# Altium PCB PYCO_PCB_VER01_REVA.PcbDoc
Units mm, origin at the board's own origin, x right, y up, seen from the top; angles counter-clockwise.
Board outline 100 x 120 mm, 4 copper layers (TOP, Ground Plane, Power Plane, BOT), stack 1.517 mm thick; 96 components, 73 nets, 315 pads, 101 vias.
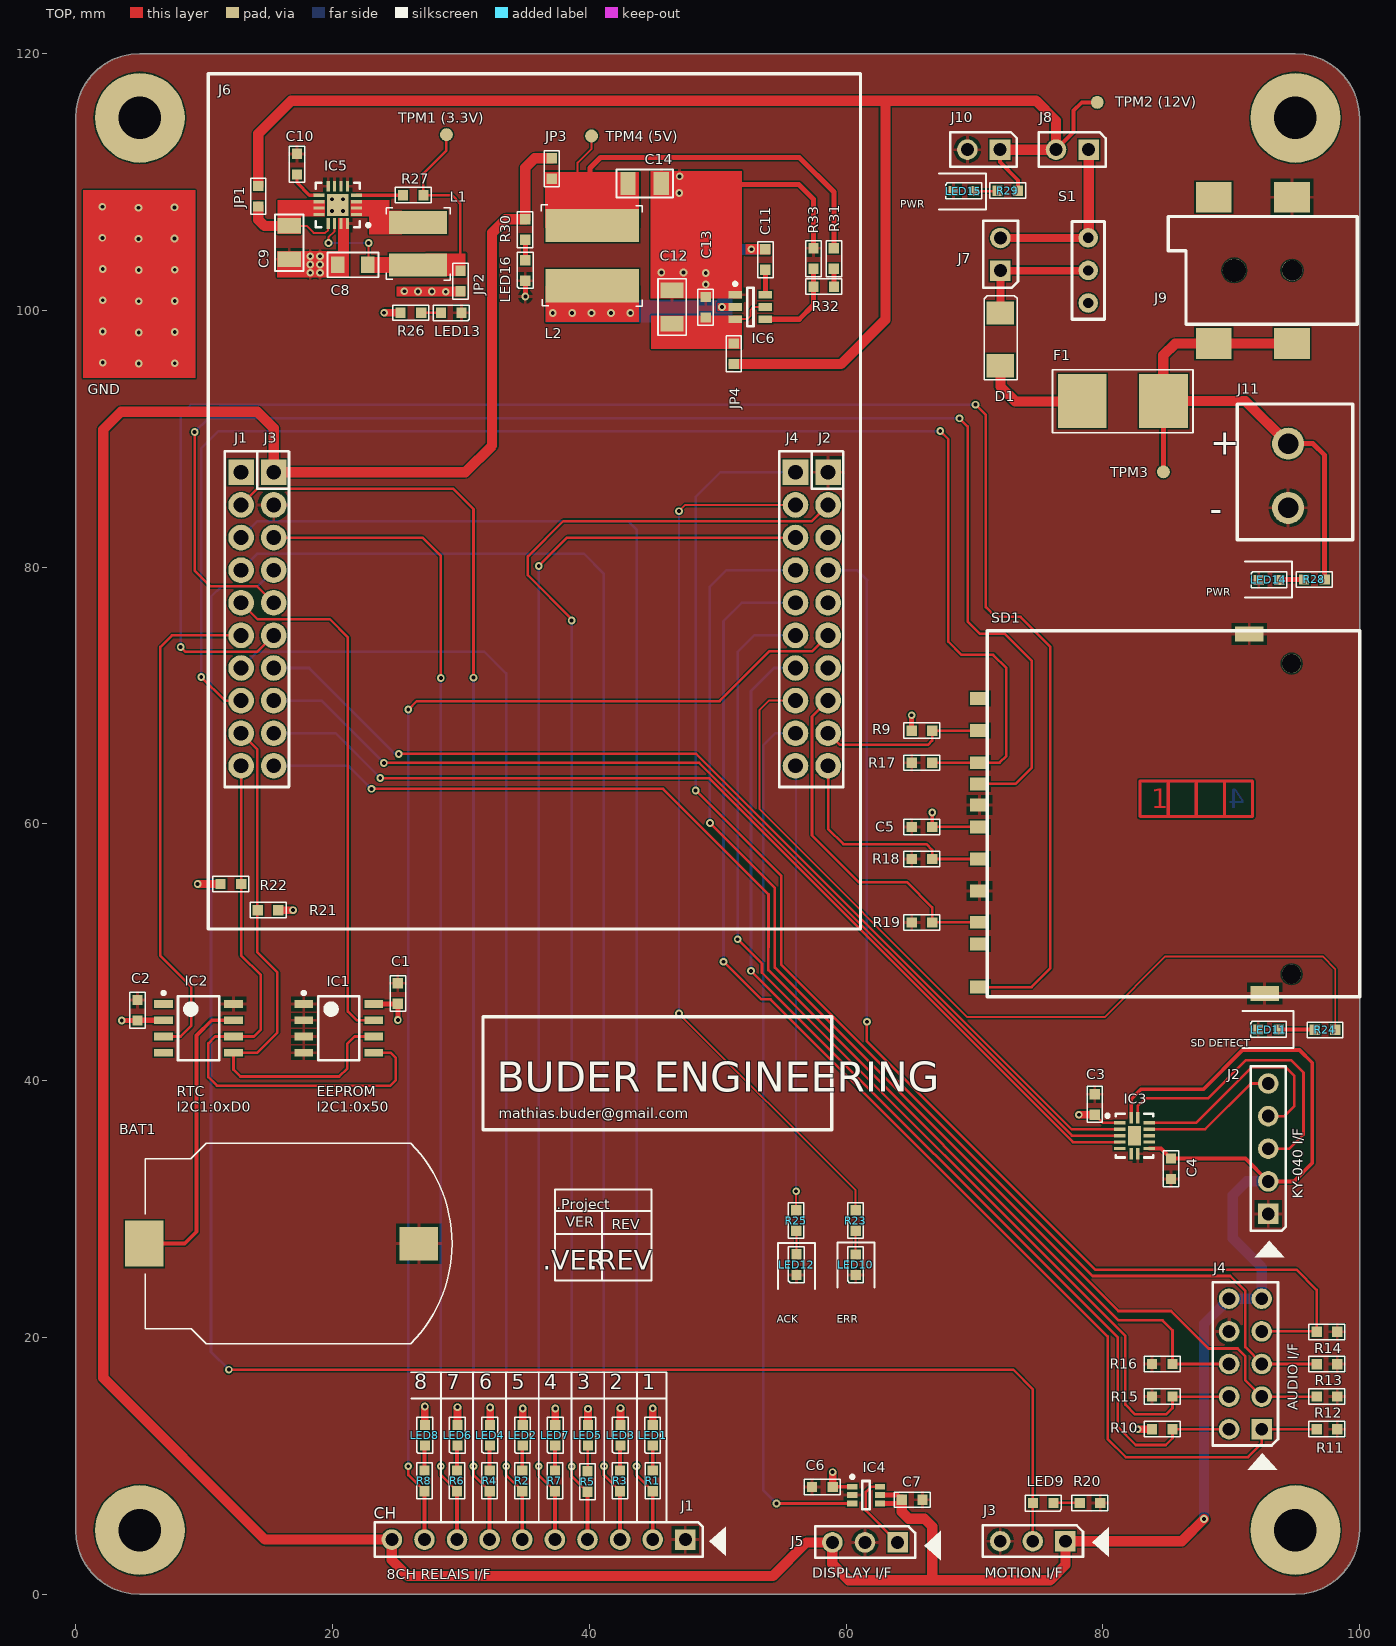
[diagram p0: TOP view]
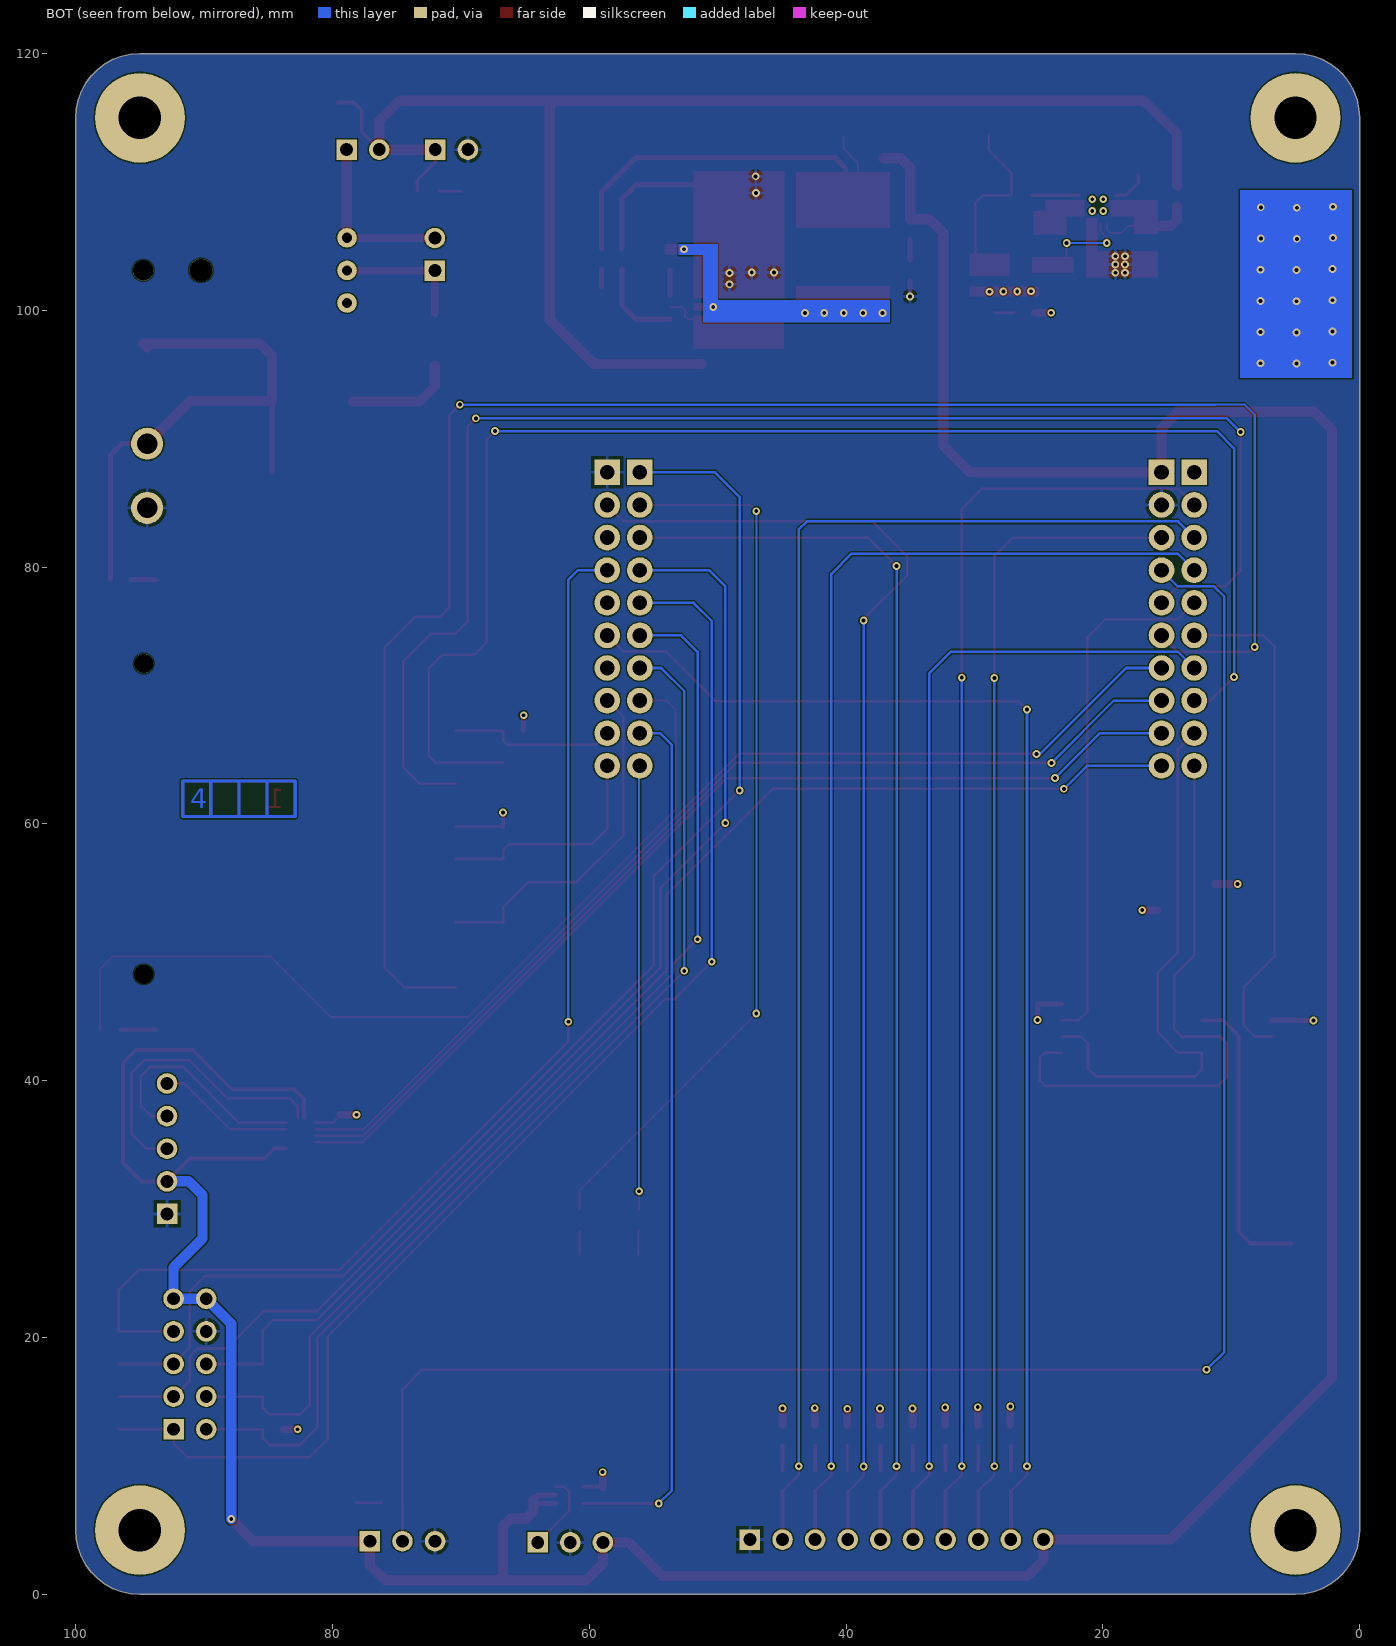
[diagram p1: BOT view, seen from below]
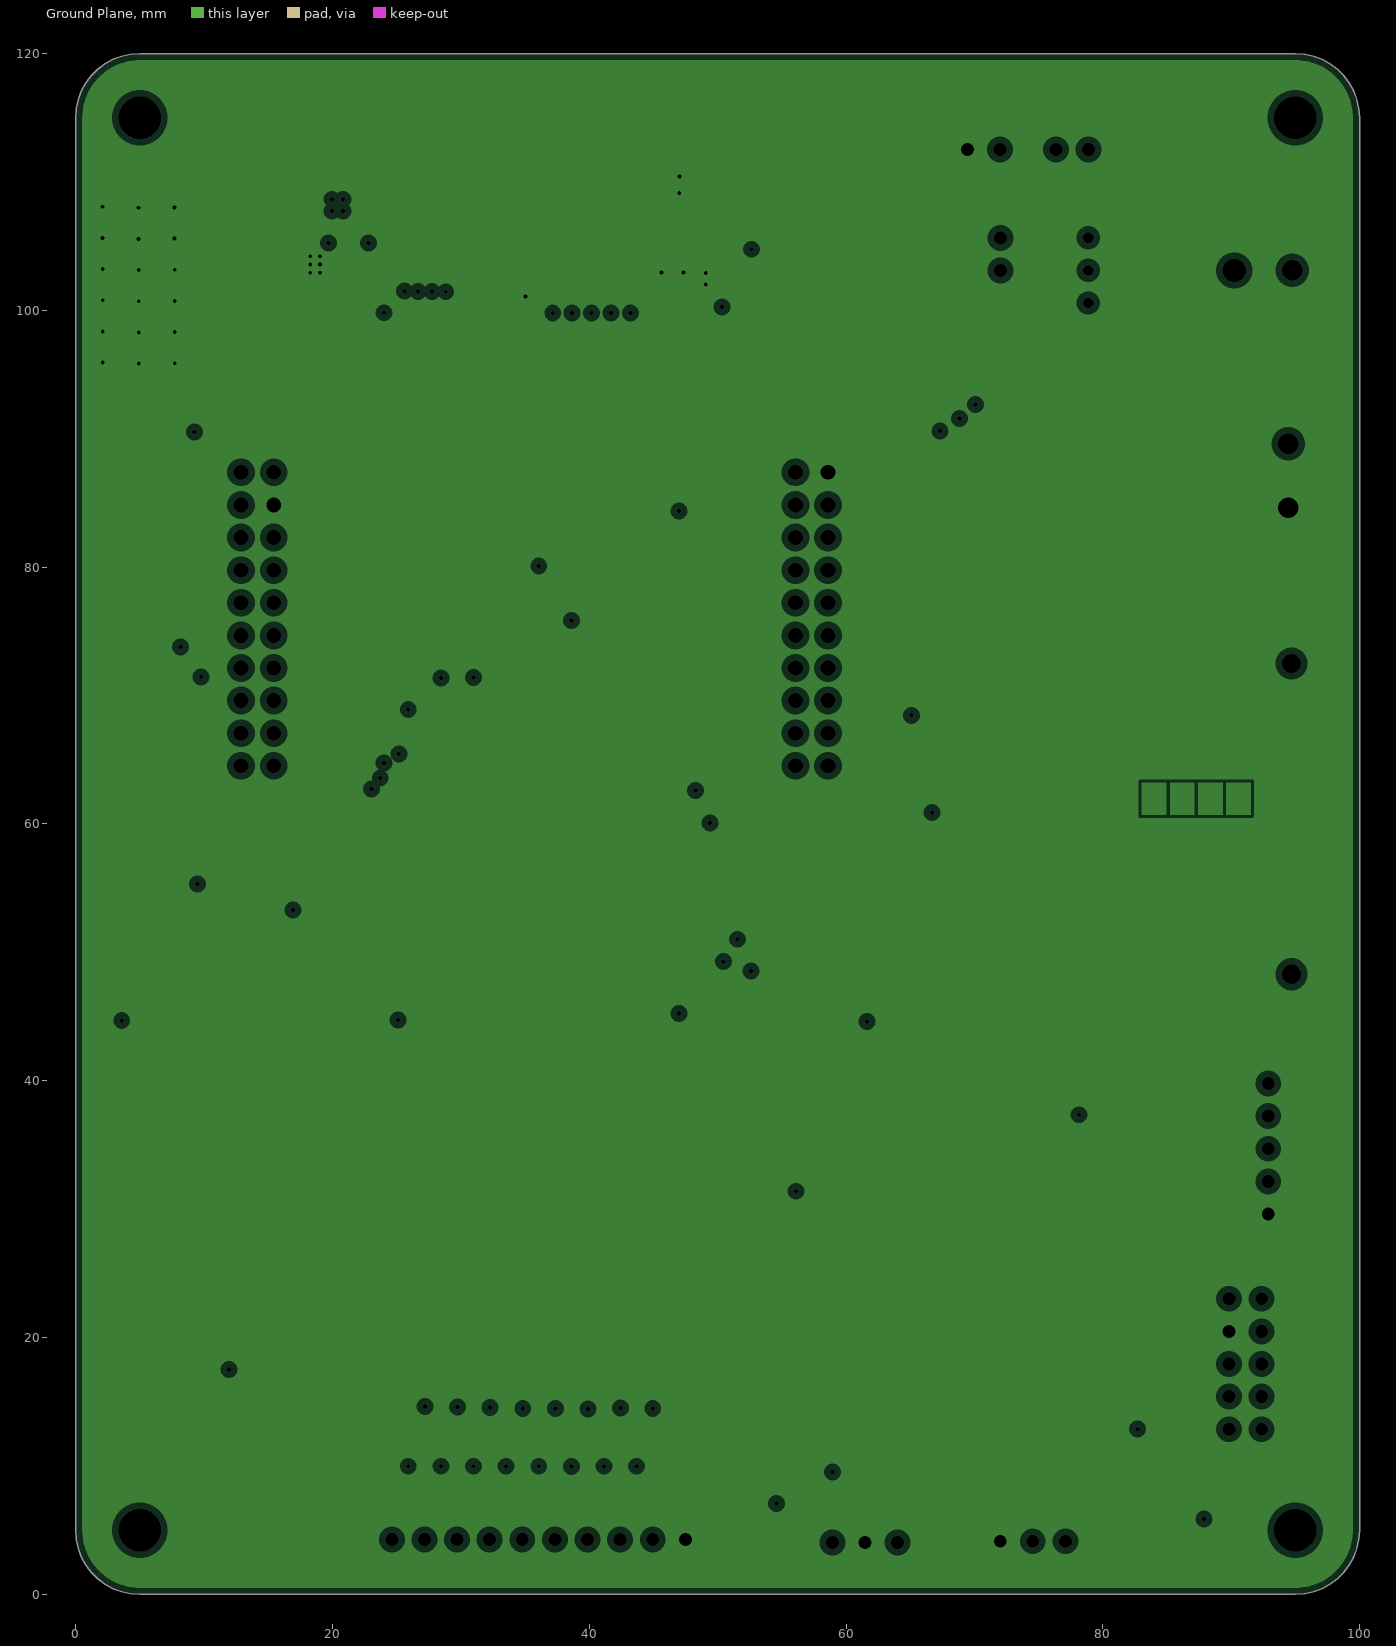
[diagram p2: Ground Plane, clearances drawn from the general rule]
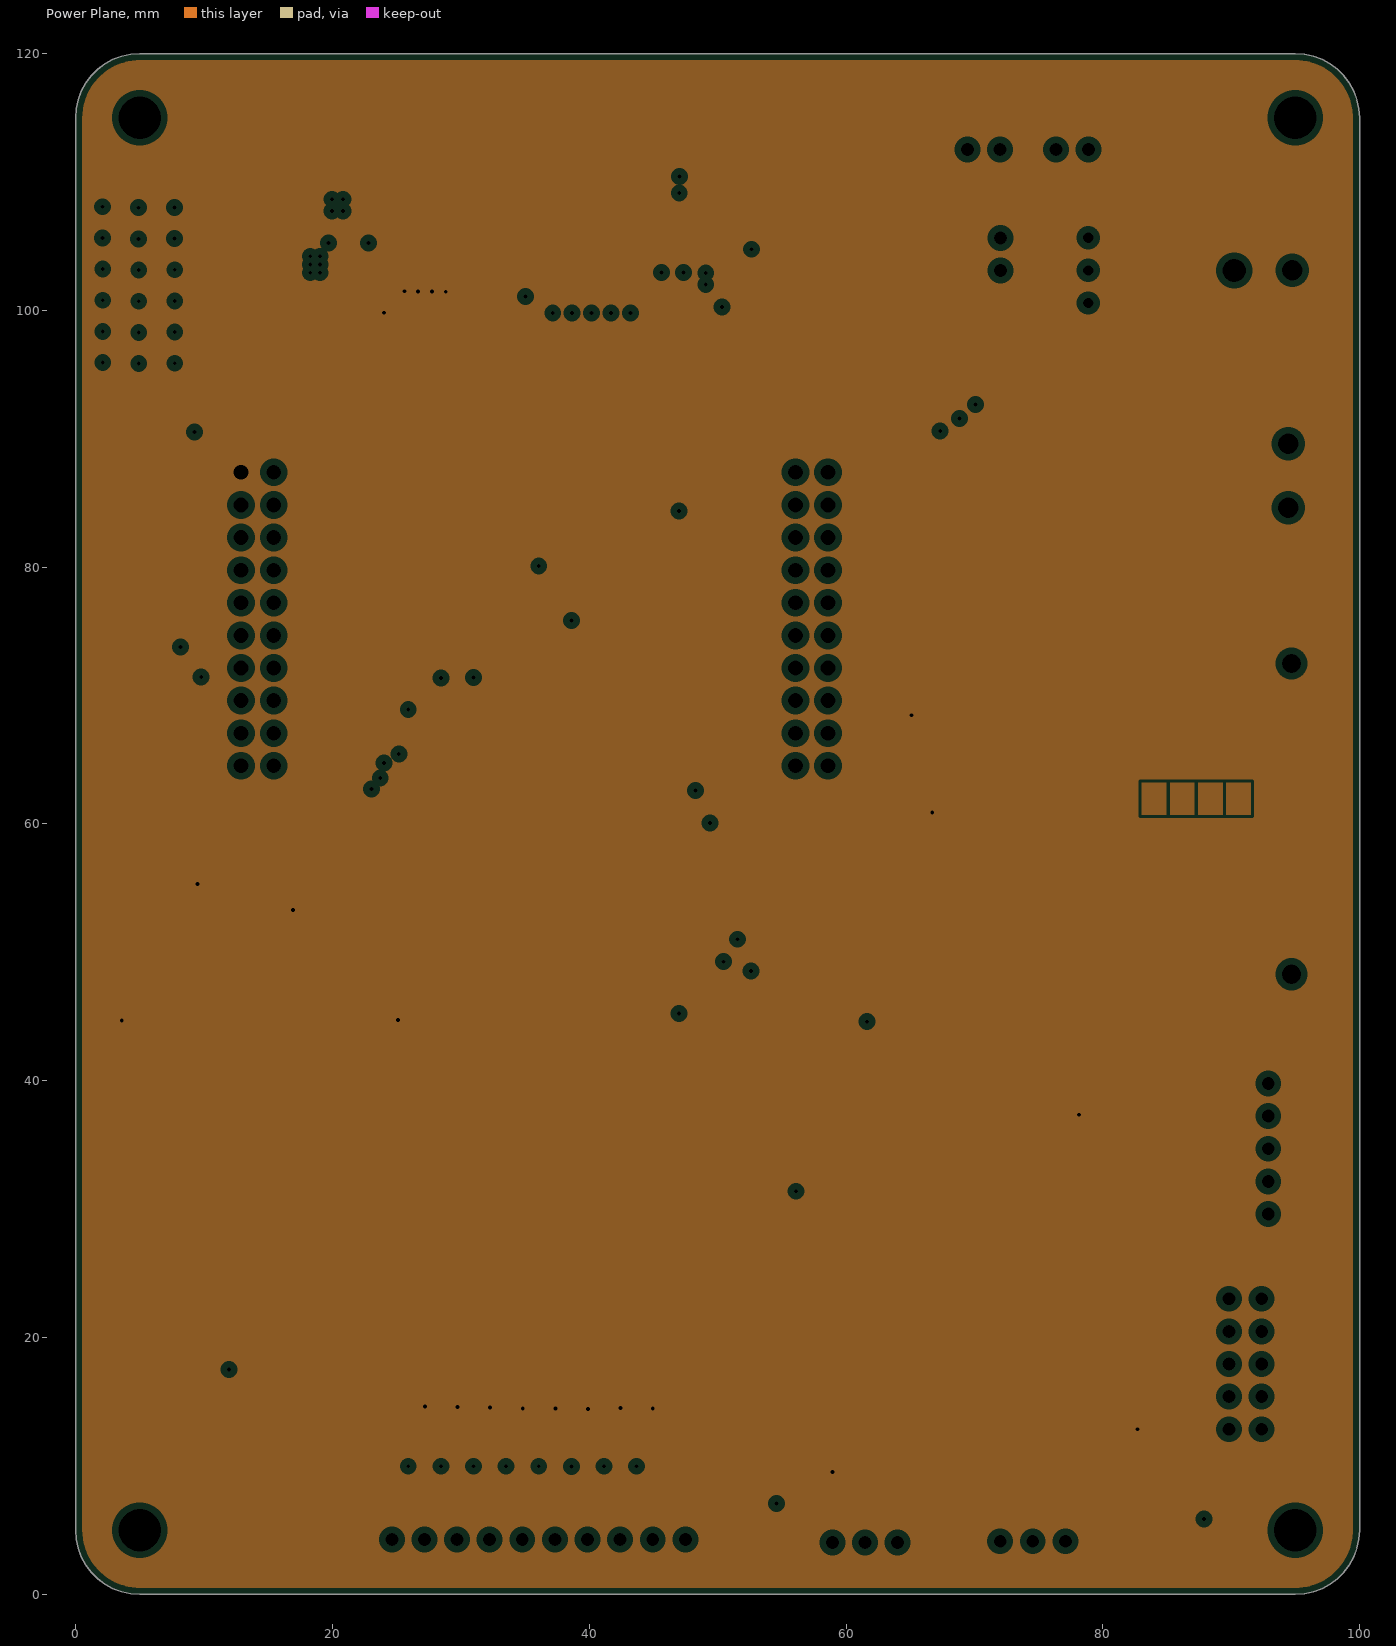
[diagram p3: Power Plane, clearances drawn from the general rule]
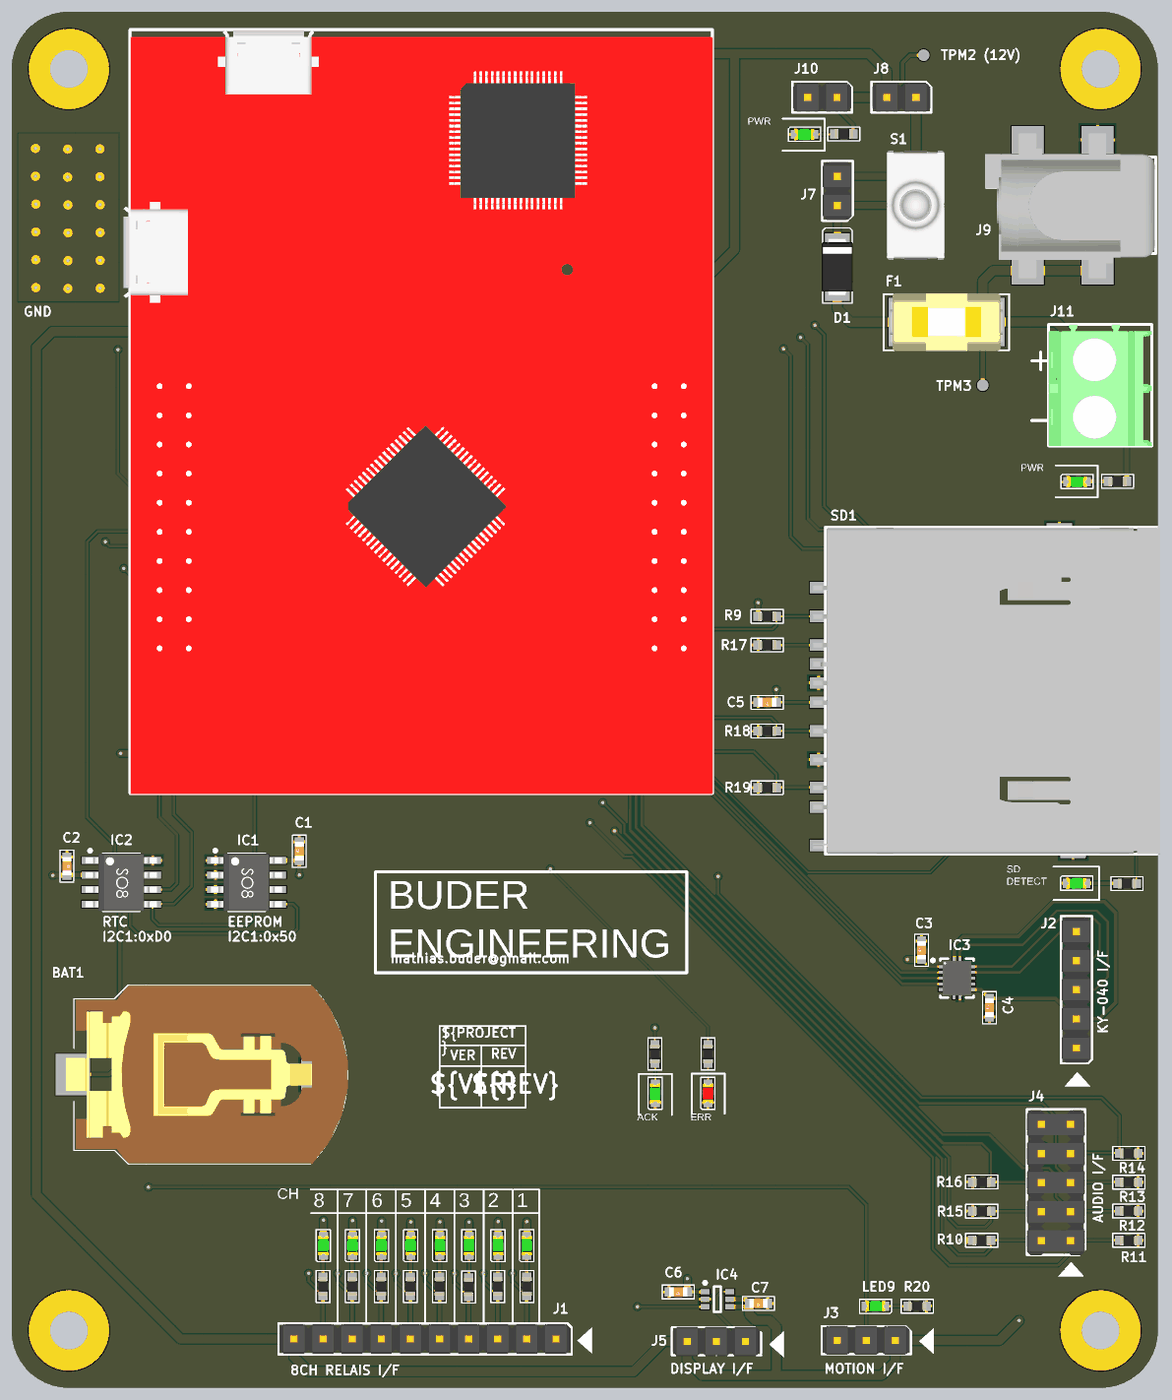
[diagram p4: 3D render of the assembled board from above, using the file's embedded part models]

## Layer stack, top to bottom
Top Solder: solder mask 0.0102, Solder Resist, Dk 3.5
TOP: signal copper 0.0356
Dielectric 1: core 0.32, FR-4, Dk 4.8
Ground Plane: plane copper 0.036, net GND
Dielectric 3: prepreg 0.8, Dk 4.2
Power Plane: plane copper 0.036, net +3V3
Dielectric 4: core 0.254, Dk 4.2
BOT: signal copper 0.0356
Bottom Solder: solder mask 0.0102, Solder Resist, Dk 3.5

## Board outline
100,5 100,115 99.949,115.712 99.797,116.409 99.548,117.077 99.206,117.703 98.779,118.274 98.274,118.779 97.703,119.206 97.077,119.548 96.409,119.797 95.712,119.949 95,120 5,120 4.288,119.949 3.591,119.797 2.923,119.548 2.297,119.206 1.726,118.779 1.221,118.274 0.794,117.703 0.452,117.077 0.202,116.409 0.051,115.712 0,115 0,5 0.051,4.288 0.202,3.591 0.452,2.923 0.794,2.297 1.221,1.726 1.726,1.221 2.297,0.794 2.923,0.452 3.591,0.203 4.288,0.051 5,0 95,0 95.712,0.051 96.409,0.203 97.077,0.452 97.703,0.794 98.274,1.221 98.779,1.726 99.206,2.297 99.548,2.923 99.797,3.591 99.949,4.288

## Design rules (kind name [scope] priority, off if disabled: settings)
Clearance Clearance_SSI0 [InNetClass('SSI0')] p1: gap=0.1 except(0.3: Track-Track Track-Via)
Clearance [All] p2: gap=0.1
HoleSize [All] p1: absolutevalues=TRUE maxlimit=2.54 minlimit=0.3 maxpercent=80.000 minpercent=20.000
HoleToHoleClearance [All] p1: gap=0.4 allowstackedmicrovias=TRUE
MinimumAnnularRing [All] p1: minimumring=0.15
MinimumSolderMaskSliver [All] p1: minsoldermaskwidth=0.1
PlaneClearance [All] p1: clearance=0.508
PlaneConnect [All] p1: planeconnectstyle=Direct reliefexpansion=0.508 reliefentries=4 reliefconductorwidth=0.254 reliefairgap=0.254
PolygonConnect [All] p1: connectstyle=Relief reliefconductorwidth=0.254 reliefentries=4 polygonreliefangle="90 Angle" airgapwidth=0.254
RoutingVias [All] p1: holewidth=0.3 width=0.6 viastyle="Through Hole" minholewidth=0.3 minwidth=0.6 maxholewidth=0.3 maxwidth=0.6
SilkToSilkClearance [All] p1: silktosilkclearance=0.1
SilkToSolderMaskClearance [IsPad] p1: minsilkscreentomaskgap=0.15 clearancetoexposedcopper=TRUE
SolderMaskExpansion [All] p1: expansion=0.1
Width Width_Power [InNetClass('Power')] p1: maxlimit=0.8 minlimit=0.3 preferedwidth=0.6
Width [All] p2: maxlimit=0.4 minlimit=0.15 preferedwidth=0.2
23 further rules are at their usual default settings.

## Classes and differential pairs
net class Power: +3V3 +5V +12V GND NetC9_1 NetD1_1 NetD1_2 NetF1_1 NetJ7_2
component class Connectors: C3 C4 C5 C6 C7 IC3 IC4 J1 J2 J3 J4 J5 LED1 LED2 LED3 LED4 LED5 LED6 LED7 LED8 LED9 R1 R2 R3 R4 R5 R6 R7 R8 R9 R10 R11 R12 R13 R14 R15 R16 R17 R18 R19 R20 SD1
component class Controller: J6 LED10 LED11 LED12 R21 R22 R23 R24 R25
component class "Power Supply": C8 C9 C10 C11 C12 C13 C14 D1 F1 IC5 IC6 J7 J8 J9 J10 J11 JP1 JP2 JP3 JP4 L1 L2 LED13 LED14 LED15 LED16 R26 R27 R28 R29 R30 R31 R32 R33 S1 TPM1 TPM2 TPM3 TPM4
component class RTC-EEPROM: BAT1 C1 C2 IC1 IC2
net class RELAIS_BUS[0..7]: RELAIS_BUS0 RELAIS_BUS1 RELAIS_BUS2 RELAIS_BUS3 RELAIS_BUS4 RELAIS_BUS5 RELAIS_BUS6 RELAIS_BUS7

## Components (designator, comment, footprint, x,y, rotation, side; value= is the part's Value field where it differs from the comment)
BAT1 "S8421-45R" S8421-45R 18.24,27.319 r270 top
C1 "C0603C104J4RACTU" C0603 25.095,46.797 r90 top
C2 "C0603C104J4RACTU" C0603 4.826,45.491 r270 top
C3 "C0603C104J4RACTU" C0603 79.375,38.156 r90 top
C4 "C0603C104J4RACTU" C0603 85.31,33.147 r90 top
C5 "C0603C104J4RACTU" C0603 65.913,59.772 r180 top
C6 "C0603C104J4RACTU" C0603 58.158,8.363 r180 top
C7 "C0603C104J4RACTU" C0603 65.151,7.366 r180 top
C8 "C2012X5R0J226M125AC" C0805 21.594,103.547 r180 top
C9 "T491A106K016AT" C1206 16.637,105.283 r270 top
C10 "GRM1885C1H391JA01D" C0603 17.244,111.393 r90 top
C11 "C0603C104J4RACTU" C0603 53.721,103.962 r90 top
C12 "T491A106K016AT" C1206 46.457,100.267 r90 top
C13 "C0603C104J4RACTU" C0603 49.073,100.254 r90 top
C14 "C3216X6S1A476M160AC" C1206 44.323,109.88 r0 top
D1 "SK36A-LTP" DO-214AC 72.027,97.739 r90 top
F1 "0154.062DR" 0154.062DR 81.559,92.939 r180 top
IC1 "24AA512-I/SN" SOIC-8 20.494,44.083 r0 top
IC2 "DS3231MZ/V+" SOIC-8 9.572,44.083 r0 top
IC3 "NTB0104BQ,115" QFN14 82.47,35.725 r0 top
IC4 "74LVC1T45GW,125" SOT363 61.565,7.729 r0 top
IC5 "TPS62152RGTT" QFN16 20.419,108.218 r180 top
IC6 "TPS563200DDCT" SOT23-6 52.546,100.267 r0 top
J1 "Header 1x10" "Post Height Terminal Strip 1x10" 36.057,4.267 r180 top
J2 "Header 1x5" "Post Height Terminal Strip 1x5" 92.884,34.709 r90 top
J3 "1x3" "Post Height Terminal Strip 1x3" 74.549,4.139 r180 top
J4 "Header 2x5" "Post Height Terminal Strip 2x5" 91.106,17.945 r90 top
J5 "1x3" "Post Height Terminal Strip 1x3" 61.478,4.046 r180 top
J6 "EK-TM4C123GXL" EK-TM4C123GXL 35.734,75.96 r0 top
J7 "1x2" "Post Height Terminal Strip 1x2" 72.027,104.369 r90 top
J8 "1x2" "Post Height Terminal Strip 1x2" 77.627,112.522 r180 top
J9 "CONN POWER JACK 2.1X5.5MM HI CUR" CP-002AHPJCT-ND 94.742,103.117 r180 top
J10 "1x2" "Post Height Terminal Strip 1x2" 70.723,112.522 r180 top
J11 "1935161" "2 POS Screw Terminal" 94.435,87.122 r90 top
JP1 "ERJ-3GEY0R00V" R0603 14.224,108.887 r90 top
JP2 "ERJ-3GEY0R00V" R0603 29.972,102.286 r270 top
JP3 "ERJ-3GEY0R00V" R0603 37.084,111.049 r90 top
JP4 "ERJ-3GEY0R00V" R0603 51.257,96.622 r270 top
L1 "SDR0403-2R2ML" "IND-LQH32CN220K53L 2 11" 26.67,105.197 r270 top
L2 "SRR6038-3R3Y" SRR6038-3R3Y 40.234,104.267 r90 top
LED1 "LTST-C193KGKT-5A" LED0603-GREEN 44.947,12.395 r270 top
LED2 "LTST-C193KGKT-5A" LED0603-GREEN 34.822,12.395 r270 top
LED3 "LTST-C193KGKT-5A" LED0603-GREEN 42.442,12.395 r270 top
LED4 "LTST-C193KGKT-5A" LED0603-GREEN 32.282,12.395 r270 top
LED5 "LTST-C193KGKT-5A" LED0603-GREEN 39.902,12.395 r270 top
LED6 "LTST-C193KGKT-5A" LED0603-GREEN 29.742,12.395 r270 top
LED7 "LTST-C193KGKT-5A" LED0603-GREEN 37.362,12.395 r270 top
LED8 "LTST-C193KGKT-5A" LED0603-GREEN 27.202,12.395 r270 top
LED9 "LTST-C193KGKT-5A" LED0603-GREEN 75.362,7.123 r0 top
LED10 "LTST-C193KRKT-5A" LED0603-RED 60.753,25.679 r270 top
LED11 "LTST-C193KGKT-5A" LED0603-GREEN 92.907,43.993 r180 top
LED12 "LTST-C193KGKT-5A" LED0603-GREEN 56.152,25.682 r270 top
LED13 "LTST-C193KGKT-5A" LED0603-GREEN 29.259,99.821 r0 top
LED14 "LTST-C193KGKT-5A" LED0603-GREEN 92.945,79.011 r180 top
LED15 "LTST-C193KGKT-5A" LED0603-GREEN 69.171,109.295 r180 top
LED16 "LTST-C193KGKT-5A" LED0603-GREEN 35.027,103.112 r270 top
R1 "ERJ-3EKF3300V" R0603 44.947,8.838 r90 top
R2 "ERJ-3EKF3300V" R0603 34.787,8.838 r90 top
R3 "ERJ-3EKF3300V" R0603 42.407,8.838 r90 top
R4 "ERJ-3EKF3300V" R0603 32.247,8.838 r90 top
R5 "ERJ-3EKF3300V" R0603 39.867,8.788 r90 top
R6 "ERJ-3EKF3300V" R0603 29.707,8.838 r90 top
R7 "ERJ-3EKF3300V" R0603 37.327,8.838 r90 top
R8 "ERJ-3EKF3300V" R0603 27.167,8.838 r90 top
R9 "ERJ-3EKF1003V" R0603 65.913,67.272 r180 top
R10 "ERJ-3EKF1003V" R0603 84.629,12.865 r180 top
R11 "ERJ-3EKF1003V" R0603 97.46,12.865 r180 top
R12 "ERJ-3EKF1003V" R0603 97.46,15.418 r180 top
R13 "ERJ-3EKF1003V" R0603 97.46,17.932 r180 top
R14 "ERJ-3EKF1003V" R0603 97.46,20.447 r180 top
R15 "ERJ-3EKF1003V" R0603 84.629,15.405 r0 top
R16 "ERJ-3EKF1003V" R0603 84.629,17.945 r0 top
R17 "ERJ-3EKF1003V" R0603 65.913,64.772 r0 top
R18 "ERJ-3EKF1003V" R0603 65.913,57.277 r0 top
R19 "ERJ-3EKF1003V" R0603 65.913,52.324 r0 top
R20 "ERJ-3EKF3300V" R0603 79.001,7.123 r180 top
R21 "ERJ-3EKF2201V" R0603 14.986,53.289 r0 top
R22 "ERJ-3EKF2201V" R0603 12.091,55.321 r180 top
R23 "ERJ-3EKF3300V" R0603 60.753,29.118 r270 top
R24 "ERJ-3EKF3300V" R0603 97.307,43.967 r180 top
R25 "ERJ-3EKF3300V" R0603 56.117,29.118 r270 top
R26 "ERJ-3EKF3300V" R0603 26.109,99.822 r180 top
R27 "ERJ-3EKF1003V" R0603 26.289,108.976 r0 top
R28 "ERJ-3EKF2401V" R0603 96.479,79.046 r0 top
R29 "ERJ-3EKF2401V" R0603 72.6,109.33 r0 top
R30 "ERJ-3EKF7500V" R0603 35.011,106.3 r90 top
R31 "ERJ-3EKF5602V" R0603 59.055,104.038 r90 top
R32 "ERJ-3EKF2000V" R0603 58.268,101.854 r0 top
R33 "ERJ-3EKF1002V" R0603 57.471,104.038 r270 top
S1 "ATE1E-2M3-10-Z" ATE1E-2M3-10-Z 78.867,103.117 r270 top
SD1 "10067847-001RLF" 10067847-001RLF 70.405,60.397 r90 top
"TPM1 (3.3V)" "TestPoint-M" TestPoint-M 28.88,113.69 r270 top (schematic designator TPM1)
"TPM2 (12V)" "TestPoint-M" TestPoint-M 79.567,116.205 r180 top (schematic designator TPM2)
TPM3 "TestPoint-M" TestPoint-M 84.719,87.427 r90 top
"TPM4 (5V)" "TestPoint-M" TestPoint-M 40.183,113.589 r90 top (schematic designator TPM4)
? "PcbTag" PCBTAG 42.662,27.762 r0 top
